# Altium PCB Copy of GameBoard_V1I1_083018.PcbDoc (part 3 of 21)
Units mil, origin at the board's own origin, x right, y up, seen from the top; angles counter-clockwise.
Board outline 7165.35 x 2763.78 mil, 12 copper layers (L1, L2, L3, L4, L5 (PWR), L6 (PWR), L7 (PWR), L8 (PWR), L9, L10, L11, L12), stack 61.575 mil thick; 1542 components, 1068 nets, 5447 pads, 3797 vias.
Unrouted connection lines stored in the file: 105.
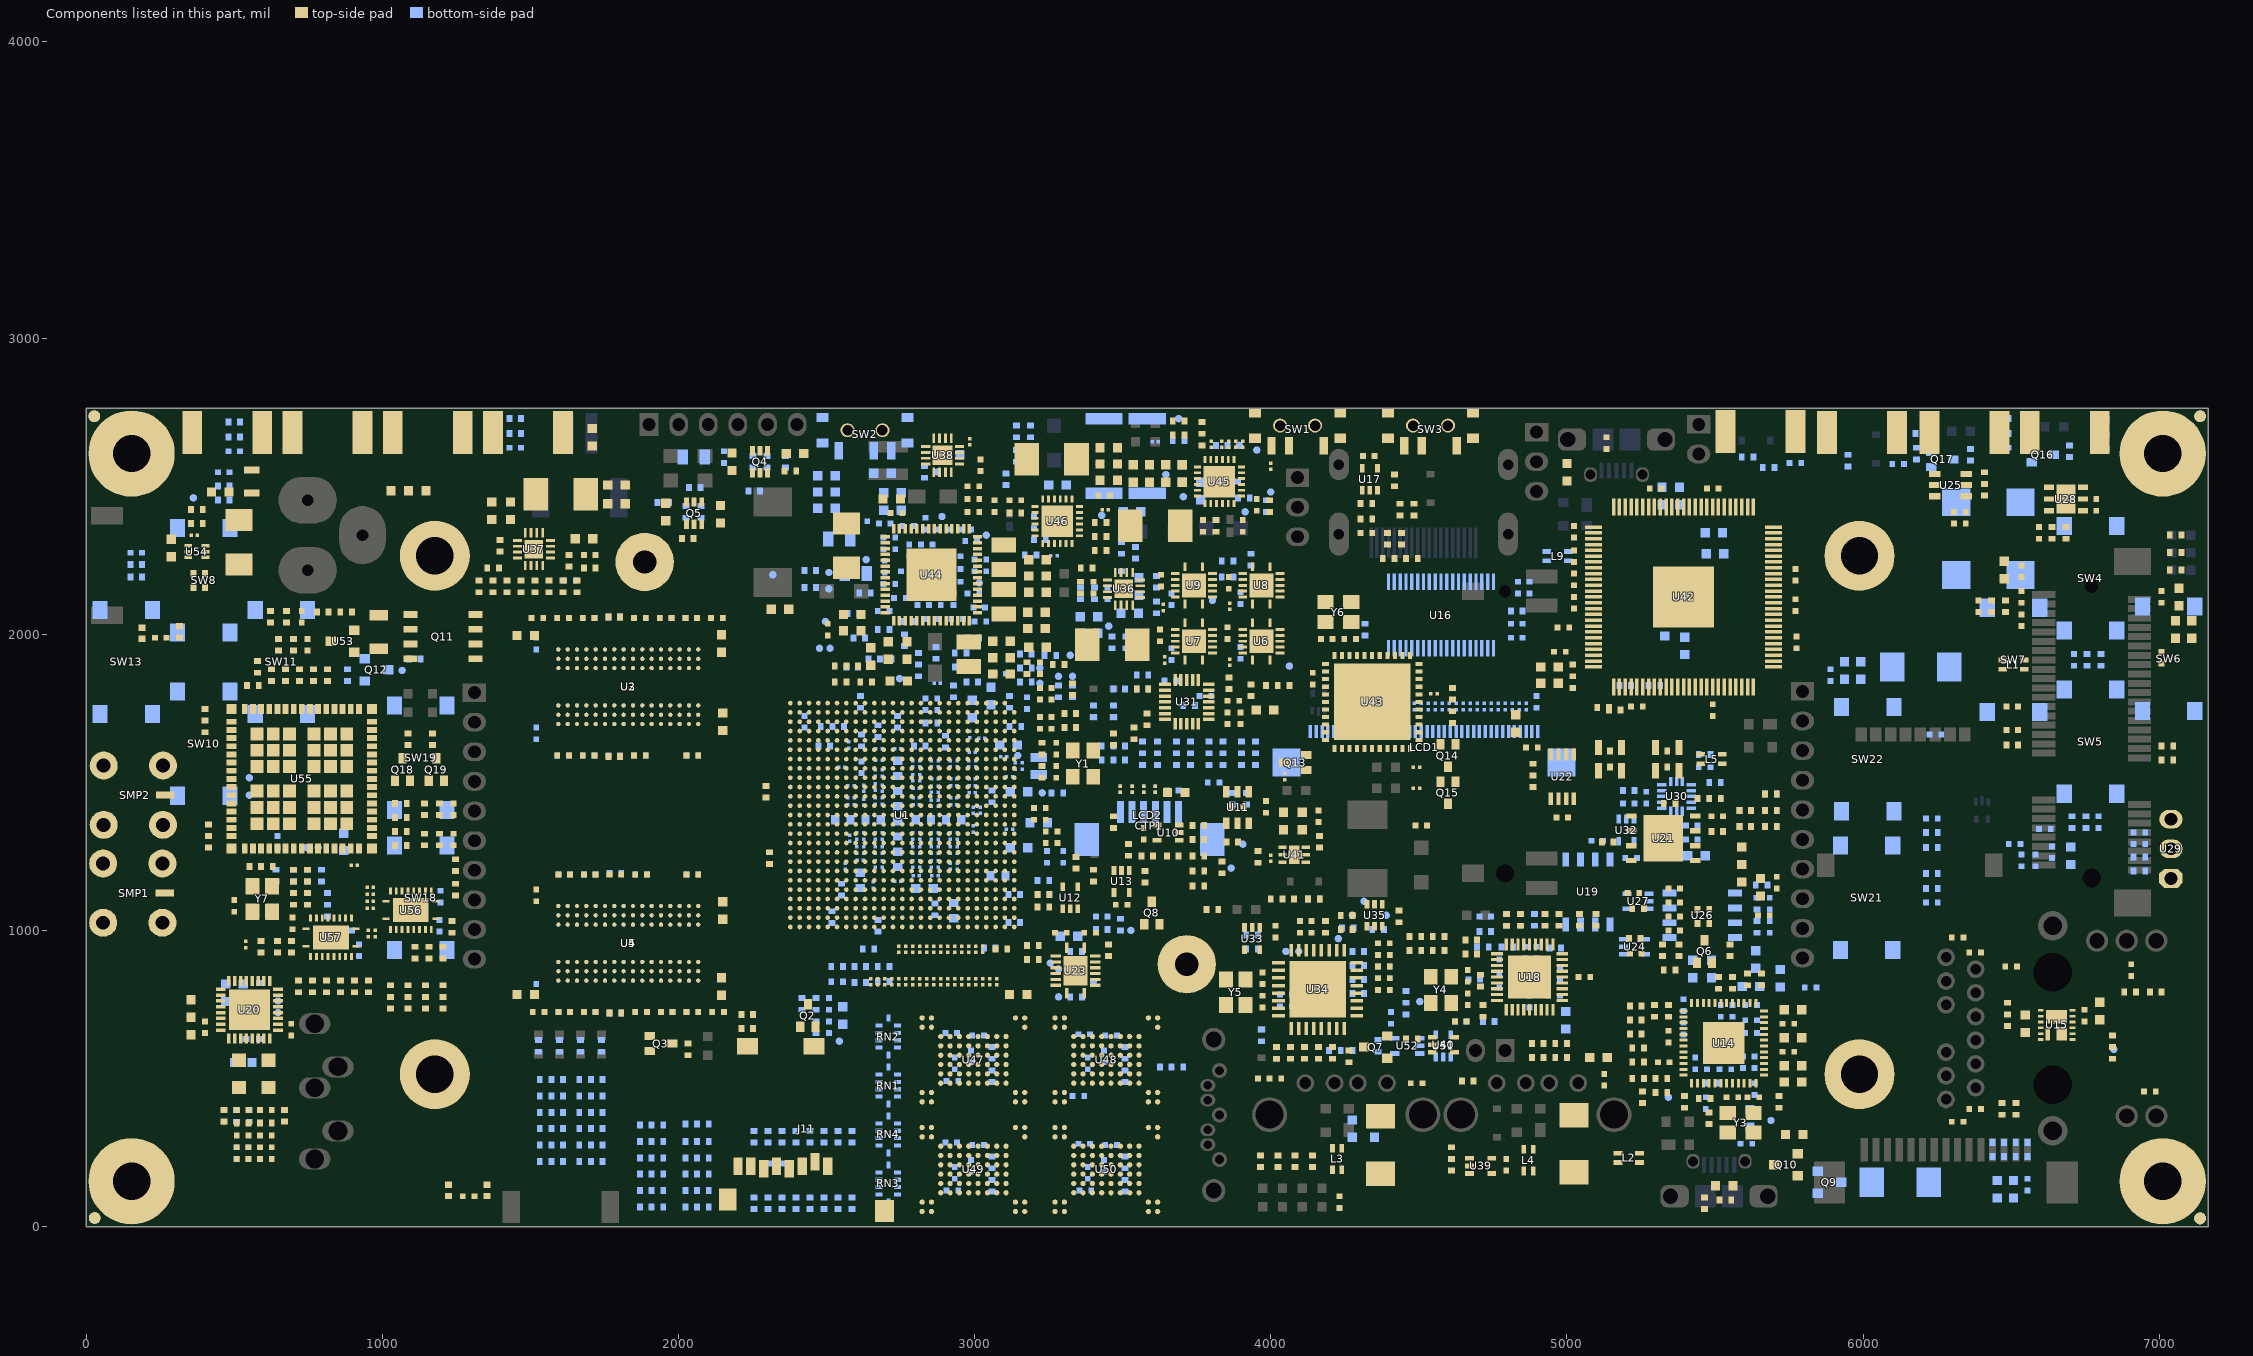
[diagram p13: the components of this part, seen from the top]

## Components (designator, comment, footprint, x,y, rotation, side; value= is the part's Value field where it differs from the comment) (continued)
L13 "1u / 2.6A" IFSC_79MILX98MIL 2980.32,1933.07 r90 top
L14 "1u / 2.6A" IFSC_79MILX98MIL 3098.43,2110.24 r270 top
L15 "1u / 2.6A" IFSC_79MILX98MIL 3098.43,2259.84 r90 top
L16 "2u2 / 2.75A" IHLP_160MILX175MIL 2566.93,2299.21 r270 top
L17 "1u" IHLP_204MILX216MIL 3610.24,2366.14 r180 top
L18 "1u" IHLP_204MILX216MIL 3259.84,2590.55 r0 top
L19 "2u2 / 2.75A" IHLP_160MILX175MIL 515.75,2311.02 r90 top
L20 "1.8nH" LQP_0402 1224.41,122.05 r90 top
L21 "1.3nH" LQP_0402 1354.33,122.05 r90 top
L22 "2.2nH" LQP_0402 314.96,2007.87 r90 top
L23 "1.8nH" LQP_0402 188.98,2003.94 r90 top
LCD1 "0541324062" 0541324062 4517.72,1612.2 r180 bottom locked
LCD2 "NHD-4.3-480272MB-ASXN-CTP" NHD-4.3-480272MB-ASXN-CTP 3582.68,1389.76 r180 bottom locked
MH1 "MH_7.4MMC_3.2MMD" MH_7.4MMD_3.2MMD 153.54,2610.24 r0 top
MH2 "MH_7.4MMC_3.2MMD" MH_7.4MMD_3.2MMD 7011.81,2610.24 r0 top
MH3 "MH_7.4MMC_3.2MMD" MH_7.4MMD_3.2MMD 153.54,153.54 r0 top
MH4 "MH_7.4MMC_3.2MMD" MH_7.4MMD_3.2MMD 7011.81,153.54 r0 top
MH5 "MH_5MMC_2MMD" MH_5MMD_2MMD 3716.54,885.83 r0 top locked
MH6 "MH_5MMC_2MMD" MH_5MMD_2MMD 1885.83,2244.09 r0 top locked
Q2 "2N7002BKW,115" SC70_SOT323 2437.01,712.6 r90 top
Q3 "2N7002BKW,115" SC70_SOT323 1940.95,618.11 r0 top
Q4 "2N7002BKS,115" SOT363 2275.59,2582.68 r90 top
Q5 "2N7002BKS,115" SOT363 2053.15,2409.45 r90 top
Q6 "2N7002BKW,115" SC70_SOT323 5464.57,929.13 r90 top
Q7 "MMBT3906,215" SOT-23-3-123 4354.33,606.3 r180 top
Q8 "2N7002BKW,115" SC70_SOT323 3598.43,1059.06 r90 top
Q9 "DMP2035U-7" SOT-23-3-123 5886.22,149.61 r0 bottom
Q10 "DMP2035U-7" SOT-23-3-123 5740.16,208.66 r180 top
Q11 "SI4425BDY-T1-E3" 8_SOIC_3.9MM 1204.72,1992.13 r0 top
Q12 "MMBT3906,215" SOT-23-3-123 980.32,1879.92 r0 bottom
Q13 "2N7002BKW,115" SC70_SOT323 4082.68,1566.93 r180 top
Q14 "2N7002BKW,115" SC70_SOT323 4598.43,1590.55 r270 top
Q15 "2N7002BKW,115" SC70_SOT323 4598.43,1464.57 r270 top
Q16 "2N7002BKW,115" SC70_SOT323 6606.3,2606.3 r0 bottom
Q17 "2N7002BKW,115" SC70_SOT323 6267.72,2590.55 r0 bottom
Q18 "2N7002BKW,115" SC70_SOT323 1068.31,1543.37 r90 top
Q19 "2N7002BKW,115" SC70_SOT323 1182.48,1543.37 r90 top
R1 "240R" R0402 1783.46,1586.61 r180 top
R2 "240R" R0402 1783.46,2059.06 r180 bottom
R3 "10k" R0402 2295.28,1468.5 r90 top
R4 "10k" R0402 2492.13,1622.05 r0 bottom
R5 "240R" R0402 2307.09,1244.09 r270 top
R6 "240R" R0402 1787.4,720.47 r180 top
R7 "240R" R0402 1787.4,1192.91 r180 bottom
R8 "240R" R0402 2464.57,673.23 r270 bottom
R9 "200R" R0402 1787.4,720.47 r180 bottom
R10 "200R" R0402 1783.46,2059.06 r180 top
R11 "240R" R0402 2464.57,751.97 r270 bottom
R12 "0R" R0402 2992.13,1838.58 r0 bottom
R13 "0R" R0402 3137.8,1688.98 r180 bottom
R14 "10k" R0402 6503.94,1625.98 r180 top
R15 "200R" R0402 3118.11,1771.65 r270 bottom
R16 "49R9" R0402 3322.83,1732.28 r180 top value=49.9R
R17 "49R9" R0402 3322.83,1685.04 r180 top value=49.9R
R18 "0R" R0402 2539.37,1688.98 r180 bottom
R19 "10k" R0402 2866.14,1070.87 r90 bottom
R20 "47k" R0402 4318.9,2015.75 r270 bottom
R21 "47k" R0402 3330.71,1814.96 r270 top
R22 "0R" R0402 2814.96,1622.05 r0 bottom
R23 "1k6" R0402 3283.46,1897.64 r180 top
R24 "0R" R0402 2547.24,1838.58 r0 top
R25 "0R" R0402 2952.76,1889.76 r0 bottom
R26 "4k99" R0402 3177.17,1885.83 r270 top
R27 "0R" R0402 2854.33,1700.79 r180 bottom
R28 "1k6" R0201 2874.02,1834.65 r0 bottom
R29 "0R" R0402 2952.76,1937.01 r180 bottom
R30 "10k" R0201 3862.2,1905.51 r90 top
R31 "10k" R0201 3641.73,1913.39 r90 top
R32 "0R" R0402 2618.11,1641.73 r270 bottom
R33 "10k" R0201 3862.2,2094.49 r90 top
R34 "100k" R0402 4003.94,1826.77 r0 top
R35 "100k" R0402 4043.31,1826.77 r180 top
R36 "10k" R0201 3637.8,2090.55 r90 top
R37 "22R" R0402 3232.28,1078.74 r0 top
R38 "0R" R0402 2551.18,1137.8 r270 bottom
R39 "0R" R0402 2929.13,1807.09 r90 bottom
R40 "0R" R0402 3059.06,1452.76 r270 bottom
R41 "191R" R0201 3118.11,1342.52 r180 bottom
R42 "22R" R0402 3051.18,940.94 r180 bottom
R43 "10k" R0201 952.76,989.57 r270 top
R44 "22R" R0402 2673.23,1015.75 r270 bottom
R45 "10k" R0402 3452.76,933.07 r90 top
R46 "10k" R0402 3566.93,1814.96 r0 bottom
R47 "10k" R0402 2641.73,937.01 r180 bottom
R48 "4k99" R0402 3090.55,937.01 r0 top
R49 "10k" R0402 3755.91,1149.61 r0 top
R50 "10k" R0402 3645.67,539.37 r180 bottom
R51 "10k" R0402 4433.07,1047.24 r90 top
R52 "10k" R0402 3232.76,1122.05 r0 bottom
R53 "10k" R0402 2232.28,716.54 r180 top
R54 "10k" R0402 2633.86,1838.58 r180 top
R55 "22R" R0402 3133.86,1122.05 r0 bottom
R56 "22R" R0402 3133.86,1027.56 r0 bottom
R57 "22R" R0402 2740.16,1704.72 r270 bottom
R58 "22R" R0402 2673.23,1673.23 r270 bottom
R59 "4k99" R0402 5602.36,1405.51 r180 bottom
R60 "4k99" R0402 5602.36,1350.39 r180 bottom
R61 "4k99" R0402 1248.03,1220.47 r270 top
R62 "4k99" R0402 1248.03,1137.8 r270 top
R63 "4k99" R0402 4614.17,1799.21 r90 top
R64 "4k99" R0402 4614.17,1720.47 r270 top
R65 "10k" R0402 5346.46,866.14 r0 top
R66 "10k" R0402 3279.53,1464.57 r0 bottom
R67 "22R" R0402 3330.71,1807.09 r90 bottom
R68 "100k" R0402 3468.5,1740.16 r90 bottom
R69 "100k" R0402 3401.57,1740.16 r90 bottom
R70 "10k" R0402 2535.43,826.77 r180 bottom
R71 "10k" R0402 2614.17,825 r0 bottom
R72 "10k" R0402 2692.91,827.49 r180 bottom
R73 "1k" R0402 2518.98,1044.94 r90 bottom
R74 "10k" R0402 2535.43,877.95 r0 bottom
R75 "10k" R0402 2614.17,877.95 r180 bottom
R76 "10k" R0402 2692.91,877.95 r0 bottom
R77 "10M" R0402 3228.35,1614.17 r90 top
R78 "10M" R0201 3161.42,1555.12 r270 bottom
R79 "2M2" R0402 3228.35,1535.43 r270 top
R80 "4k99" R0201 2992.13,1464.57 r180 bottom
R81 "4k99" R0402 3488.19,1574.8 r0 bottom
R82 "4k99" R0402 3488.19,1622.05 r0 bottom
R83 "0R" R0402 570.87,1216.54 r0 top
R84 "4k99" R0201 3019.69,1405.51 r90 bottom
R85 "10k" R0402 3448.82,1574.8 r0 bottom
R86 "10k" R0402 3448.82,1622.05 r0 bottom
R87 "10k" R0402 3755.91,1251.97 r0 top
R88 "10k" R0402 3669.29,1251.97 r180 top
R89 "10k" R0402 3574.8,1181.1 r270 top
R90 "4k99" R0402 3870.08,1444.88 r270 bottom
R91 "10k" R0402 3870.08,1299.21 r0 top
R92 "10k" R0402 3232.28,1169.29 r0 bottom
R93 "0R" R0402 3755.91,1307.09 r180 top
R94 "0R" R0402 3755.91,1354.33 r180 top
R95 "10k" R0402 3917.32,1444.88 r90 bottom
R96 "0R" R0402 3468.5,1366.14 r270 top
R97 "10k" R0402 3582.68,1251.97 r0 top
R98 "0R" R0402 3232.28,1122.05 r0 top
R99 "0R" R0402 3887.8,1415.35 r0 top
R100 "0R" R0402 3468.5,1645.67 r270 top
R101 "10k" R0402 3342.52,1228.35 r270 top
R102 "0R" R0402 3538.5,1665.35 r270 top
R103 "1k" R0201 2984.25,1661.42 r270 bottom
R104 "10k" R0402 3173.23,1838.58 r180 bottom
R105 "10k" R0402 3172.88,1933.07 r180 bottom
R106 "10k" R0402 3173.23,1886.81 r180 bottom
R107 "0R" R0402 3519.69,1271.65 r270 top
R108 "0R" R0402 3834.65,1212.6 r270 top
R109 "22R" R0402 3255.91,1929.13 r0 bottom
R110 "0R" R0402 3755.91,1200.79 r180 top
R111 "22R" R0402 3283.46,1807.09 r90 bottom
R112 "0R" R0402 3401.57,1185.04 r270 top
R113 "0R" R0402 2586.61,1889.76 r0 bottom
R114 "0R" R0402 2901.57,1637.8 r90 bottom
R115 "0R" R0402 3429.13,1002.95 r0 bottom
R116 "0R" R0402 3492.13,1019.68 r270 bottom
R117 "0R" R0402 6842.52,625.98 r270 top
R118 "0R" R0402 6842.52,586.61 r270 top
R119 "0R" R0402 6488.19,696.85 r90 top
R120 "220R" R0402 5610.24,834.65 r90 top
R121 "220R" R0402 5559.06,822.83 r90 top
R122 "0R" R0402 6488.19,736.22 r270 top
R123 "22R" R0402 5480.31,366.14 r270 top
R124 "22R" R0402 5240.16,602.36 r0 top
R125 "12k1" R0402 5716.54,421.26 r270 top
R126 "22R" R0402 5318.9,500 r0 top
R127 "22R" R0402 5318.9,452.76 r0 top
R128 "4k99" R0402 5240.16,500 r180 top
R129 "1k" R0402 5255.91,437.01 r270 top
R130 "4k99" R0402 5397.64,421.26 r270 top
R131 "10k" R0402 5488.19,484.25 r180 bottom
R132 "10k" R0402 5232.28,649.61 r180 top
R133 "10k" R0402 5511.81,822.83 r90 top
R134 "10k" R0402 5342.52,728.35 r90 top
R135 "10k" R0402 5295.28,728.35 r90 top
R136 "10k" R0402 5232.28,744.09 r180 top
R137 "10k" R0402 5232.28,696.85 r180 top
R138 "1k" R0402 5464.57,433.07 r0 top
R139 "1k" R0402 5240.16,555.12 r0 top
R140 "1k" R0402 5657.48,834.65 r270 top
R141 "0R" R0402 4830.71,2078.74 r0 bottom
R142 "0R" R0402 4437.01,2421.26 r90 top
R143 "0R" R0402 4440.94,2322.83 r270 top
R144 "0R" R0402 4393.7,2322.83 r270 top
R145 "15k" R0402 4322.83,2389.76 r0 top
R146 "4k99" R0402 4397.64,2255.91 r180 top
R147 "4k99" R0402 4476.38,2255.91 r0 top
R148 "27k" R0402 4484.25,2421.26 r270 top
R149 "47k" R0402 4322.83,2440.94 r180 top
R150 "0R" R0402 4417.32,2519.68 r90 top
R151 "10k" R0402 6933.07,1200.79 r180 bottom
R152 "0R" R0402 7027.56,1574.8 r180 top
R153 "0R" R0402 7027.56,1622.05 r180 top
R154 "330R" R0402 7055.12,2216.54 r180 top
R155 "330R" R0402 7055.12,2275.59 r180 top
R156 "330R" R0402 7055.12,2334.65 r180 top
R157 "0R" R0402 4901.57,570.87 r180 top
R158 "0R" R0402 5318.9,1606.3 r0 top
R159 "0R" R0402 5358.27,1606.3 r0 top
R160 "0R" R0402 4940.94,570.87 r0 top
R161 "0R" R0805_SMALL 5338.58,1618.11 r0 top
R162 "0R" R0402 4980.32,570.87 r180 top
R163 "0R" R0805_SMALL 5338.58,1539.37 r180 top
R164 "0R" R0402 4901.57,618.11 r180 top
R165 "0R" R0402 5318.9,1551.18 r0 top
R166 "0R" R0402 5358.27,1551.18 r0 top
R167 "0R" R0402 4940.94,618.11 r0 top
R168 "0R" R0402 4980.32,618.11 r180 top
R169 "0R" R0402 4566.93,933.07 r0 top
R170 "0R" R0402 4527.56,933.07 r180 top
R171 "0R" R0402 4488.19,933.07 r0 top
R172 "0R" R0402 4566.93,980.31 r0 top
R173 "10k" R0402 5464.57,78.74 r270 top
R174 "0R" R0402 4527.56,980.31 r180 top
R175 "0R" R0402 4488.19,980.31 r0 top
R176 "10k" R0402 5535.43,90.55 r180 top
R177 "0R" R0402 5165.35,1606.3 r180 top
R178 "0R" R0402 5125.98,1606.3 r180 top
R179 "0R" R0805_SMALL 5145.67,1618.11 r180 top
R180 "0R" R0805_SMALL 5145.67,1539.37 r0 top
R181 "0R" R0402 5165.35,1551.18 r180 top
R182 "0R" R0402 5125.98,1551.18 r180 top
R183 "100k" R0402 4724.41,996.06 r0 bottom
R184 "0R" R0402 4716.54,944.88 r180 bottom
R185 "100k" R0402 4799.21,944.88 r0 bottom
R186 "10k" R0402 4972.44,1035.43 r270 top
R187 "100k" R0402 4889.76,1035.43 r90 bottom
R188 "10k" R0402 4925.2,1035.43 r270 top
R189 "0R" R0402 4795.28,1035.43 r90 bottom
R190 "1k" R0402 4677.17,968.5 r0 top
R191 "100k" R0402 4795.28,1035.43 r270 top
R192 "100k" R0402 4842.52,1035.43 r270 top
R193 "12k" R0402 4716.54,728.35 r270 top
R194 "100k" R0402 4677.17,921.26 r0 top
R195 "100k" R0402 4960.63,940.94 r180 bottom
R196 "1M" R0402 4708.66,830.71 r270 top
R197 "10k" R0402 5098.43,1035.43 r90 top
R198 "10k" R0402 5043.31,1035.43 r90 top
R199 "0R" R0402 6901.57,791.34 r0 top
R200 "0R" R0402 6988.19,791.34 r180 top
R201 "0R" R0402 539.37,653.54 r90 bottom
R202 "15k" R0402 528.46,350.55 r0 top
R203 "15k" R0402 607.2,350.55 r180 top
R204 "33R" R0402 465.47,374.17 r90 top
R205 "33R" R0402 670.2,374.17 r90 top
R206 "2k2" R0402 507.87,374.02 r270 bottom
R207 "10k" R0402 2232.28,669.29 r180 top
R208 "0R" R0402 2811.02,1877.95 r90 bottom
R209 "240R" R0402 2031.5,598.43 r90 top
R210 "10k" R0402 3196.85,901.57 r180 top
R211 "10k" R0402 3196.85,948.82 r180 top
R212 "10k" R0402 5507.87,1334.65 r180 top
R213 "10k" R0402 5137.8,1299.21 r180 top
R214 "10k" R0402 4885.83,1503.94 r270 top
R215 "10k" R0402 4885.83,1543.31 r90 top
R216 "0R" R0402 3342.52,929.13 r180 bottom
R217 "0R" R0402 3342.52,877.95 r180 bottom
R218 "0R" R0402 3342.52,826.77 r0 bottom
R219 "0R" R0402 3342.52,775.59 r180 bottom
R220 "22R" R0402 1145.67,795.28 r270 top
R221 "0R" R0402 1724.41,220.47 r180 bottom
R222 "0R" R0402 5688.98,1405.51 r0 bottom
R223 "0R" R0402 5688.98,1405.51 r0 top
R224 "0R" R0402 5688.98,1350.39 r0 bottom
R225 "0R" R0402 5688.98,1350.39 r0 top
R226 "100k" R0402 4255.91,1003.94 r0 top
R227 "100k" R0402 4456.69,775.59 r270 bottom
R228 "100k" R0402 4259.7,1007.87 r180 bottom
R229 "0R" R0402 1685.04,220.47 r0 bottom
R230 "0R" R0402 1724.41,330.71 r180 bottom
R231 "3k3" R0402 2255.91,2484.25 r0 bottom
R232 "3k3" R0402 2362.2,2582.68 r270 bottom
R233 "3k3" R0402 2377.95,2551.18 r0 top
R234 "0R" R0402 2251.97,2582.68 r90 bottom
R235 "0R" R0402 2299.21,2582.68 r270 bottom
R236 "3k3" R0402 2055.12,2496.06 r180 bottom
R237 "3k3" R0402 2031.5,2322.83 r0 top
R238 "3k3" R0402 1948.82,2444.88 r180 bottom
R239 "0R" R0402 2076.77,2413.39 r270 bottom
R240 "0R" R0402 2025.59,2413.39 r90 bottom
R241 "60R4" R0402 5641.73,1011.81 r90 bottom
R242 "0R" R0402 5229.02,972.44 r0 top
R243 "0R" R0402 6409.45,2488.19 r90 top
R244 "0R" R0402 5657.48,1153.54 r0 bottom
R245 "0R" R0402 6409.45,2527.56 r270 top
R246 "60R4" R0402 5641.73,1090.55 r90 bottom
R247 "240R" R0402 6933.07,1248.03 r180 bottom
R248 "10k" R0402 5322.83,933.07 r270 top
R249 "0R" R0402 5460.63,1023.62 r0 top
R250 "0R" R0402 5240.16,1074.8 r0 top
R251 "0R" R0402 5460.63,1070.87 r0 top
R252 "0R" R0402 5377.95,933.07 r90 top
R253 "10k" R0402 5551.18,933.07 r90 top
R254 "10k" R0402 3661.42,1842.52 r180 bottom
R255 "0R" R0402 5500,1500 r0 bottom
R256 "0R" R0402 3566.93,1862.2 r180 bottom
R257 "0R" R0402 5500,1444.88 r0 bottom
R258 "0R" R0402 3566.93,1814.96 r180 top
R259 "0R" R0402 5346.46,1429.13 r180 top locked
R260 "0R" R0402 3933.07,1811.02 r90 top
R261 "10k" R0402 5500,1444.88 r0 top
R262 "0R" R0402 5460.63,1444.88 r180 top
R263 "10k" R0402 5464.57,1594.49 r180 bottom
R264 "10k" R0402 3858.27,1834.65 r270 top
R265 "10k" R0402 5295.28,1307.09 r180 bottom
R266 "10k" R0402 3724.41,1759.84 r180 bottom
R267 "0R" R0402 5208.66,1472.44 r180 bottom
R268 "0R" R0402 3582.68,1712.6 r90 top
R269 "10k" R0402 3937.01,937.01 r0 bottom
R270 "240R" R0402 3803.15,1070.87 r180 top
R271 "0R" R0402 3937.01,984.25 r0 bottom
R272 "24k" R0402 4362.2,610.24 r90 bottom
R273 "0R" R0402 3685.04,539.37 r180 bottom
R274 "1k5" R0402 4263.78,574.8 r270 top
R275 "33R" R0402 4161.42,586.61 r270 top
R276 "33R" R0402 4208.66,586.61 r270 top
R277 "4k99" R0402 4066.93,586.61 r270 top
R278 "4k99" R0402 5602.36,1405.51 r180 top
R279 "4k99" R0402 5602.36,1350.39 r180 top
R280 "0R" R0402 4114.17,586.61 r270 top
R281 "0R" R0402 4185.04,1011.81 r90 top
R282 "0R" R0402 4019.69,586.61 r270 top
R283 "4k99" R0402 4019.69,586.61 r90 bottom
R284 "3k" R0402 4255.91,594.49 r0 bottom
R285 "0R" R0402 4216.54,594.49 r180 bottom
R286 "0R" R0402 3968.5,645.67 r270 bottom
R287 "0R" R0402 4059.06,1106.3 r0 top
R288 "0R" R0402 4019.69,1106.3 r180 top
R289 "0R" R0402 4362.2,1003.94 r0 bottom
R290 "100k" R0402 4295.28,787.4 r0 bottom
R291 "100k" R0402 4295.28,834.65 r0 bottom
R292 "100k" R0402 4295.28,881.89 r0 bottom
R293 "100k" R0402 4295.28,929.13 r0 bottom
R294 "0R" R0402 3496.06,2291.5 r90 bottom
R295 "10k" R0402 3614.17,2090.55 r270 bottom
R296 "82k" R0402 3405.51,2137.8 r270 bottom
R297 "150k" R0402 3543.31,2275.59 r270 bottom
R298 "100k" R0402 3614.17,2177.17 r270 bottom
R299 "0R" R0402 3511.81,1972.44 r270 bottom
R300 "63k4" R0402 3358.27,2137.8 r90 bottom
R301 "0R" R0402 3464.57,1972.44 r270 bottom
R302 "0R" R0402 3496.06,2192.91 r90 bottom
R303 "0R" R0402 3377.95,2224.41 r0 top
R304 "100k" R0402 3358.27,2157.48 r270 top
R305 "0R" R0402 1468.5,2161.42 r270 top
R306 "10k" R0402 1326.77,2161.42 r270 top
R307 "390k" R0402 1700.79,2224.41 r0 top
R308 "150k" R0402 1515.75,2161.42 r90 top
R309 "100k" R0402 1374.02,2224.41 r180 top
R310 "47k" R0402 1374.02,2161.42 r90 top
R311 "86k6" R0402 1629.92,2248.03 r270 top
R312 "0R" R0402 1421.26,2161.42 r270 top
R313 "10k" R0402 1397.64,2299.21 r270 top
R314 "0R" R0402 1562.99,2161.42 r90 top
R315 "0R" R0402 1610.24,2161.42 r90 top
R316 "100k" R0402 1657.48,2161.42 r90 top
R317 "100k" R0402 2830.71,2548.23 r270 bottom
R318 "100k" R0402 4665.35,492.13 r180 top
R319 "100k" R0402 4476.38,633.86 r180 top
R320 "11k8" R0402 877.95,2074.8 r0 top
R321 "1k, 1206, 0.5W" R1206 988.19,2007.87 r90 top
R322 "0R" R0402 4610.24,248.03 r90 top
R323 "10k" R0402 881.89,1862.2 r270 bottom
R324 "10k5" R0402 799.21,2074.8 r0 top
R325 "0R" R0402 4610.24,208.66 r270 top
R326 "10k" R0402 4736.22,692.91 r0 bottom
R327 "47k" R0402 4165.35,1299.21 r90 top
R328 "3.3" R0402 3956.69,1248.03 r90 top
R329 "0R" R0402 4145.67,1106.3 r180 bottom
R330 "0R" R0402 4145.67,1106.3 r0 top
R331 "33" R0201 4484.25,1755.91 r270 bottom
R332 "33" R0201 4460.63,1755.91 r270 bottom
R333 "33" R0201 4437.01,1755.91 r270 bottom
R334 "33" R0201 4413.39,1755.91 r270 bottom
R335 "33" R0201 4389.76,1755.91 r270 bottom
R336 "33" R0201 4366.14,1755.91 r270 bottom
R337 "33" R0201 4342.52,1755.91 r270 bottom
R338 "33" R0201 4318.9,1755.91 r270 bottom
R339 "33" R0201 4673.23,1755.91 r270 bottom
R340 "33" R0201 4649.61,1755.91 r270 bottom
R341 "33" R0201 4625.98,1755.91 r270 bottom
R342 "0R" R0402 5122.05,1751.97 r0 top
R343 "33" R0201 4602.36,1755.91 r270 bottom
R344 "33" R0201 4578.74,1755.91 r270 bottom
R345 "0R" R0402 5161.42,1744.09 r180 top
R346 "33" R0201 4555.12,1755.91 r270 bottom
R347 "33" R0201 4531.5,1755.91 r270 bottom
R348 "0R" R0402 5295.28,1826.77 r0 bottom
R349 "33" R0201 4507.87,1755.91 r270 bottom
R350 "0R" R0402 5019.69,1877.95 r270 top
R351 "0R" R0402 5019.69,1838.58 r90 top
R352 "33" R0201 4862.21,1755.91 r270 bottom
R353 "1k" R0201 4047.24,1519.68 r270 top
R354 "33" R0201 4838.58,1755.91 r270 bottom
R355 "33" R0201 4814.96,1755.91 r270 bottom
R356 "33" R0201 4791.34,1755.91 r270 bottom
R357 "33" R0201 4767.72,1755.91 r270 bottom
R358 "33" R0201 4744.1,1755.91 r270 bottom
R359 "33" R0201 4720.47,1755.91 r270 bottom
R360 "33" R0201 4696.85,1755.91 r270 bottom
R361 "33" R0201 4224.41,1745.47 r270 bottom
R362 "33" R0201 4295.28,1745.47 r270 bottom
R363 "33" R0201 4271.65,1745.47 r270 bottom
R364 "33" R0201 4248.03,1745.47 r270 bottom
R365 "47k" R0201 3531.5,1476.38 r90 top
R366 "1k" R0201 3570.87,1476.38 r90 top
R367 "1k" R0201 3610.24,1476.38 r90 top
R368 "10k" R0201 4551.18,1799.21 r0 top
R369 "33" R0201 3610.24,1476.38 r270 bottom
R370 "33" R0201 3570.87,1476.38 r270 bottom
R371 "33" R0201 3531.5,1476.38 r270 bottom
R372 "33" R0201 3492.13,1476.38 r270 bottom
R373 "100k" R0201 3492.13,1476.38 r270 top
R374 "1k" R0201 4492.13,1551.18 r180 top
R375 "1k" R0201 4492.13,1480.31 r180 top
R376 "10k" R0402 6685.04,2342.52 r270 top
R377 "10k" R0402 6704.72,1366.14 r270 bottom
R378 "10k" R0402 6803.15,1913.39 r90 bottom
R379 "10k" R0402 6480.32,2094.49 r90 top
R380 "33R" R0402 6637.8,2342.52 r90 top
R381 "33R" R0402 6751.97,1366.14 r90 bottom
R382 "1k5" R0402 4141.73,220.47 r90 top
R383 "33R" R0402 6755.91,1913.39 r270 bottom
R384 "1k5" R0402 4082.68,220.47 r90 top
R385 "1k5" R0402 4023.62,220.47 r90 top
R386 "1k5" R0402 3964.57,220.47 r90 top
R387 "1k5" R0402 1527.56,610.24 r90 bottom
R388 "33R" R0402 6433.07,2094.49 r270 top
R389 "1k5" R0402 1598.43,610.24 r90 bottom
R390 "1k5" R0402 1669.29,610.24 r90 bottom
R391 "1k5" R0402 1740.16,610.24 r90 bottom
R392 "10k" R0402 464.57,2452.76 r180 bottom
R393 "10k" R0402 622.05,2059.06 r90 top
R394 "10k" R0402 649.61,1964.57 r270 top
R395 "10k" R0402 169.29,2192.91 r180 bottom
R396 "10k" R0402 1448.82,2728.35 r180 bottom
R397 "33R" R0402 1448.82,2677.17 r0 bottom
R398 "33R" R0402 464.57,2500 r0 bottom
R399 "10k" R0402 1271.65,2724.41 r180 bottom
R400 "33R" R0402 677.17,2059.06 r270 top
R401 "33R" R0402 1271.65,2673.23 r0 bottom
R402 "33R" R0402 700.79,1964.57 r90 top
R403 "33R" R0402 169.29,2236.22 r0 bottom
R404 "10k" R0402 6803.15,2724.41 r0 bottom
R405 "10k" R0402 6472.44,2728.35 r0 bottom
R406 "10k" R0402 500,2716.54 r180 bottom
R407 "10k" R0402 1035.43,2724.41 r0 bottom
R408 "33R" R0402 6803.15,2673.23 r180 bottom
R409 "33R" R0402 500,2665.35 r0 bottom
R410 "240R" R0402 6696.85,2618.11 r270 bottom
R411 "33R" R0402 6472.44,2677.17 r180 bottom
R412 "33R" R0402 1035.43,2673.23 r180 bottom
R413 "240R" R0402 6362.2,2606.3 r270 bottom
R414 "10k" R0402 1141.73,1307.09 r270 top
R415 "10k" R0402 1141.73,1409.45 r90 top
R416 "10k" R0402 6157.48,2677.17 r0 bottom
R417 "10k" R0402 6181.1,2610.24 r270 bottom
R418 "10k" R0402 5948.82,2586.61 r90 bottom
R419 "33R" R0402 1192.91,1307.09 r90 top
R420 "33R" R0402 6094.49,2657.48 r90 bottom
R421 "33R" R0402 1192.91,1409.45 r270 top
R422 "10k" R0402 6232.28,1192.91 r0 bottom
R423 "10k" R0402 6232.28,1279.53 r0 bottom
R424 "33R" R0402 6232.28,1141.73 r180 bottom
R425 "10k" R0402 5771.65,2728.35 r180 bottom
R426 "100k" R0402 5771.65,2677.17 r180 bottom
R427 "33R" R0402 5771.65,2625.98 r0 bottom
R428 "33R" R0402 6232.28,1330.71 r180 bottom
R429 "0R" R0402 5681.1,2562.99 r180 bottom
R430 "0R" R0402 2417.32,751.97 r90 bottom
R431 "0R" R0402 2996.06,1988.19 r180 bottom
R432 "100k" R0402 2629.92,2139.76 r0 bottom
R433 "100k" R0402 5610.24,2598.43 r0 bottom
R434 "100k" R0402 2870.08,1937.01 r270 bottom
R435 "47k" R0402 2610.24,1988.19 r180 bottom
R436 "47k" R0402 2763.78,1980.31 r90 bottom
R437 "10k" R0402 2771.65,2043.31 r0 bottom
R438 "10k" R0402 2590.55,2070.87 r0 bottom
R439 "0R" R0402 2692.91,2015.75 r180 bottom
R440 "47k" R0402 3488.19,1814.96 r0 bottom
R441 "0R" R0402 2445.3,2215.45 r0 bottom
R442 "0R" R0402 2444.88,2157.48 r0 bottom